# Altium PCB BMS_Slave_back.PcbDoc (part 1 of 2) (continued)
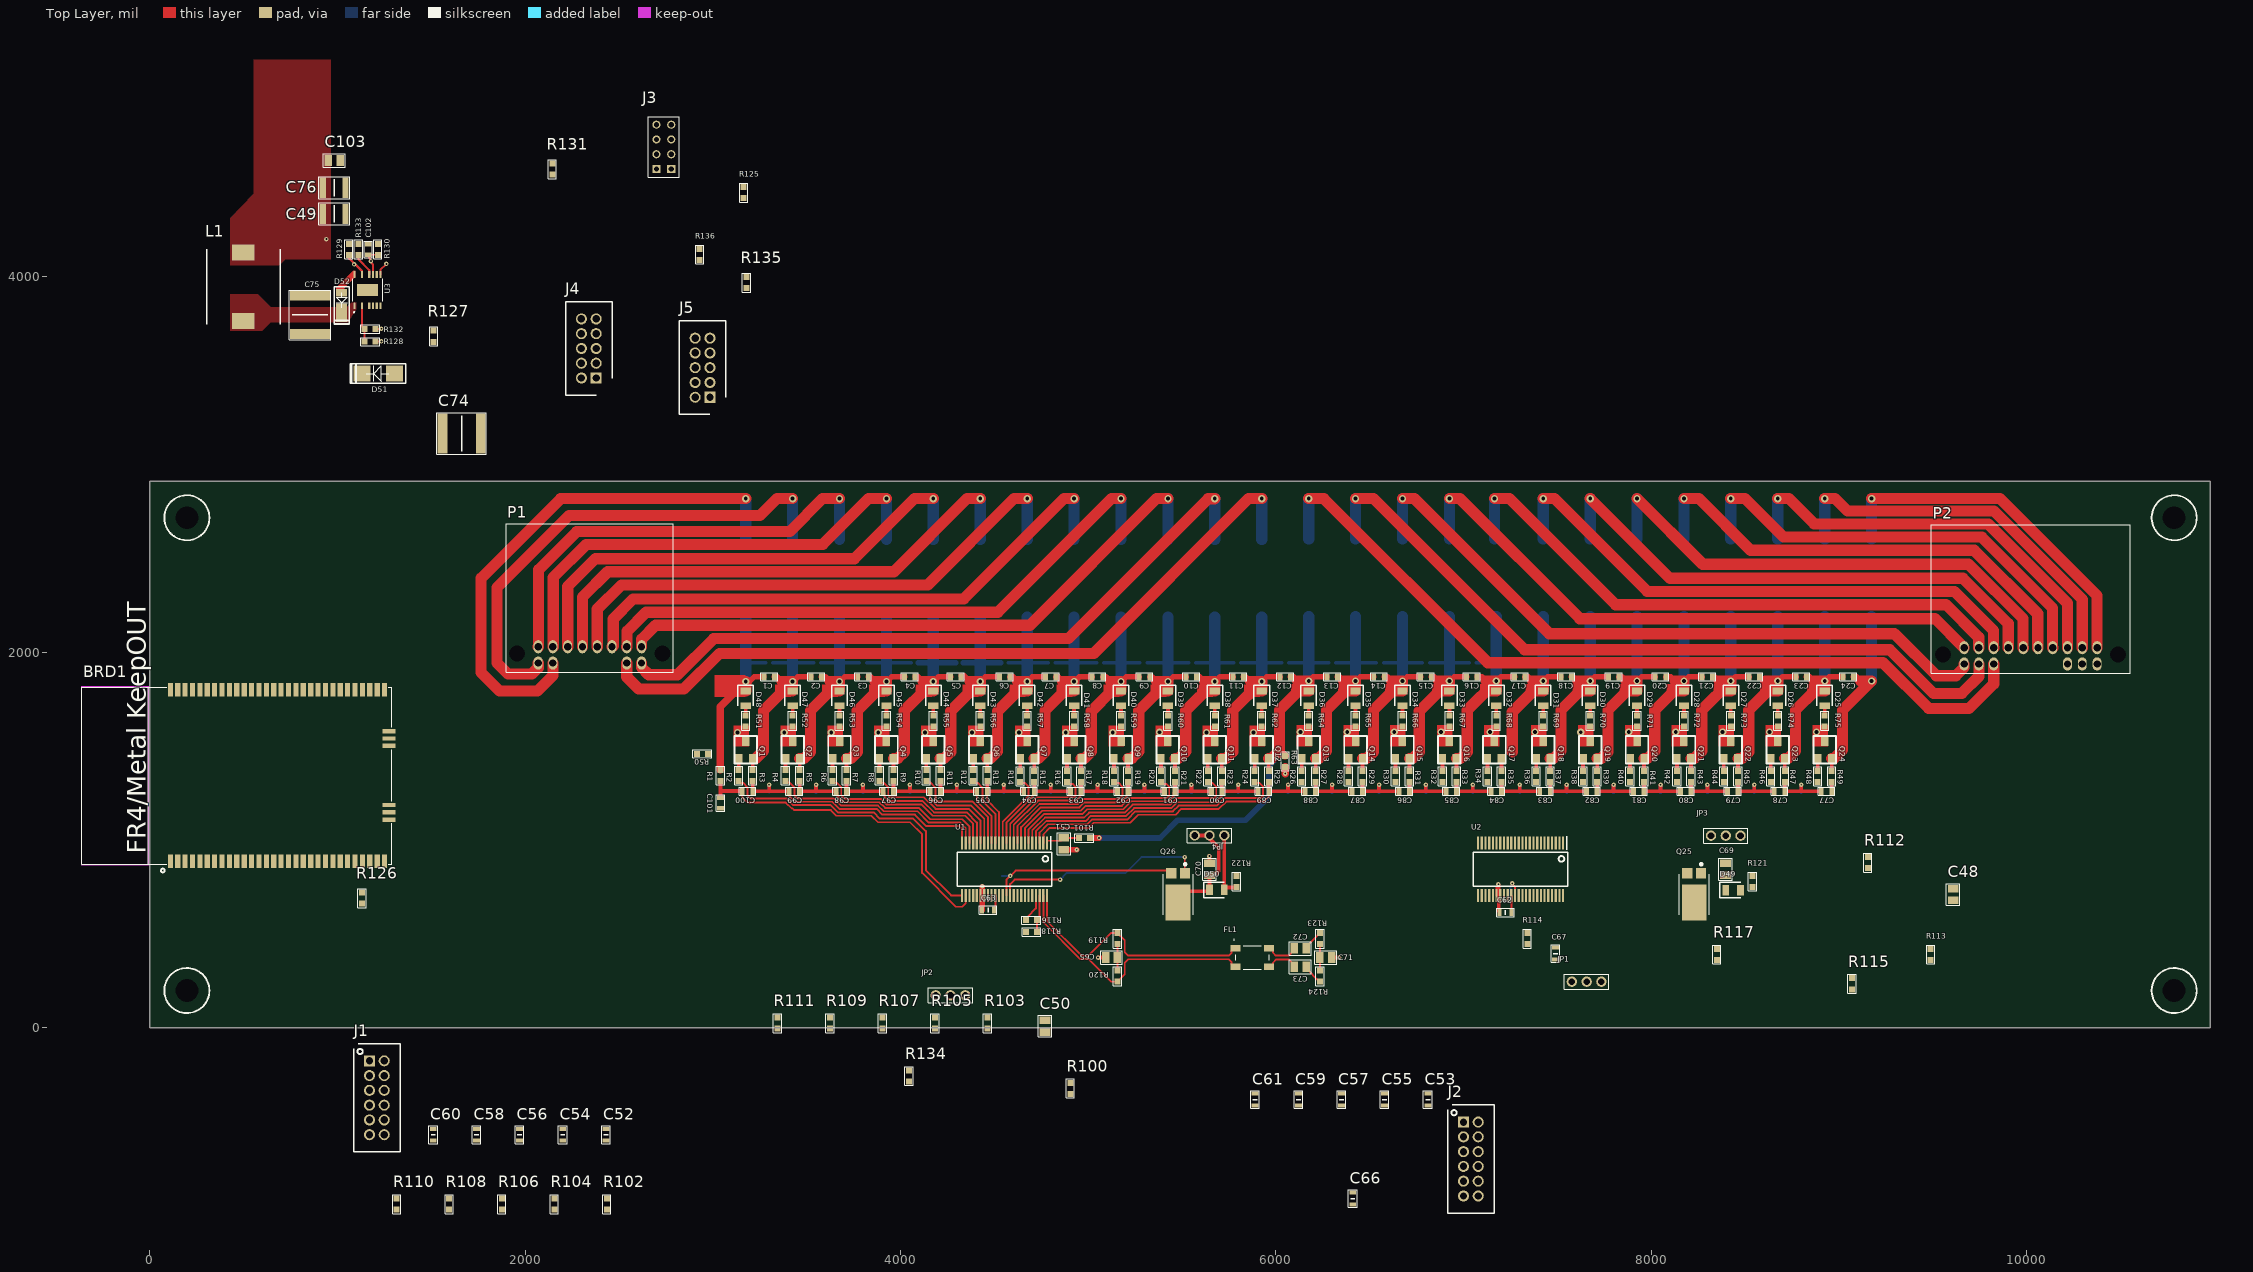
[diagram p0: Top Layer view]
## Components (designator, comment, footprint, x,y, rotation, side; value= is the part's Value field where it differs from the comment) (continued)
F7 "0885001.DR" FUSC10948X488N 4675,2393.66 r270 bottom
F8 "0885001.DR" FUSC10948X488N 4925,2393.66 r270 bottom
F9 "0885001.DR" FUSC10948X488N 5175,2393.66 r270 bottom
F10 "0885001.DR" FUSC10948X488N 5425,2393.66 r270 bottom
F11 "0885001.DR" FUSC10948X488N 5675,2393.66 r270 bottom
F12 "0885001.DR" FUSC10948X488N 5925,2393.66 r270 bottom
F13 "0885001.DR" FUSC10948X488N 6175,2396.16 r270 bottom
F14 "0885001.DR" FUSC10948X488N 6425,2396.16 r270 bottom
F15 "0885001.DR" FUSC10948X488N 6675,2396.16 r270 bottom
F16 "0885001.DR" FUSC10948X488N 6925,2396.16 r270 bottom
F17 "0885001.DR" FUSC10948X488N 7175,2396.16 r270 bottom
F18 "0885001.DR" FUSC10948X488N 7425,2396.16 r270 bottom
F19 "0885001.DR" FUSC10948X488N 7675,2396.16 r270 bottom
F20 "0885001.DR" FUSC10948X488N 7925,2396.16 r270 bottom
F21 "0885001.DR" FUSC10948X488N 8175,2396.16 r270 bottom
F22 "0885001.DR" FUSC10948X488N 8425,2396.16 r270 bottom
F23 "0885001.DR" FUSC10948X488N 8675,2396.16 r270 bottom
F24 "0885001.DR" FUSC10948X488N 8925,2396.16 r270 bottom
F25 "0885001.DR" FUSC10948X488N 9175,2396.16 r270 bottom
FL1 "ACT45B-101-2P-TL003" ACT45B1012PTL003 5874.09,373.08 r0 top
J1 "87831-1220" SHDR12W55P200_2X6_1465X630X640P 1170,-177.52 r270 top
J2 "87831-1220" SHDR12W55P200_2X6_1465X630X640P 7000,-503.94 r270 top
J3 "79107-7203" 791077203 2699.45,4575 r90 top
J4 "87831-1020" SHDR10W55P200_2X5_1265X630X640P 2378.19,3461.26 r90 top
J5 "87831-1020" SHDR10W55P200_2X5_1265X630X640P 2984.45,3358.78 r90 top
JP1 "2355045-3" 23550453 7577.66,244.45 r0 top
JP2 "2355045-3" 23550453 4187.52,171.66 r0 top
JP3 "2355045-3" 23550453 8476.48,1022.44 r180 top
JP4 "2355045-3" 23550453 5725.26,1023.66 r180 top
L1 "CDRH105RNP-151NC" INDPM102100X510N 498.58,3947.68 r90 top
P1 "Molex 12ckt Connector" 34826-0125 2344.37,1993.66 r180 top
P2 "Molex 16ckt Connector" 34826-0160 10022.28,1988.66 r180 top
Q1 "BSS308PE_H6327" SOT95P260X110-3N 3175,1478.66 r90 top
Q2 "BSS308PE_H6327" SOT95P260X110-3N 3425,1478.66 r90 top
Q3 "BSS308PE_H6327" SOT95P260X110-3N 3675,1478.66 r90 top
Q4 "BSS308PE_H6327" SOT95P260X110-3N 3925,1478.66 r90 top
Q5 "BSS308PE_H6327" SOT95P260X110-3N 4175,1478.66 r90 top
Q6 "BSS308PE_H6327" SOT95P260X110-3N 4425,1478.66 r90 top
Q7 "BSS308PE_H6327" SOT95P260X110-3N 4675,1478.66 r90 top
Q8 "BSS308PE_H6327" SOT95P260X110-3N 4925,1478.66 r90 top
Q9 "BSS308PE_H6327" SOT95P260X110-3N 5175,1478.66 r90 top
Q10 "BSS308PE_H6327" SOT95P260X110-3N 5425,1478.66 r90 top
Q11 "BSS308PE_H6327" SOT95P260X110-3N 5675,1478.66 r90 top
Q12 "BSS308PE_H6327" SOT95P260X110-3N 5925,1478.66 r90 top
Q13 "BSS308PE_H6327" SOT95P260X110-3N 6175,1478.66 r90 top
Q14 "BSS308PE_H6327" SOT95P260X110-3N 6425,1478.66 r90 top
Q15 "BSS308PE_H6327" SOT95P260X110-3N 6675,1478.66 r90 top
Q16 "BSS308PE_H6327" SOT95P260X110-3N 6925,1478.66 r90 top
Q17 "BSS308PE_H6327" SOT95P260X110-3N 7165,1478.66 r90 top
Q18 "BSS308PE_H6327" SOT95P260X110-3N 7425,1478.66 r90 top
Q19 "BSS308PE_H6327" SOT95P260X110-3N 7675,1478.66 r90 top
Q20 "BSS308PE_H6327" SOT95P260X110-3N 7925,1478.66 r90 top
Q21 "BSS308PE_H6327" SOT95P260X110-3N 8175,1478.66 r90 top
Q22 "BSS308PE_H6327" SOT95P260X110-3N 8425,1478.66 r90 top
Q23 "BSS308PE_H6327" SOT95P260X110-3N 8675,1478.66 r90 top
Q24 "BSS308PE_H6327" SOT95P260X110-3N 8925,1478.66 r90 top
Q25 "DXT5551P5-13" DXT5551P513 8229.46,708.66 r180 top
Q26 "DXT5551P5-13" DXT5551P513 5479.46,708.66 r180 top
R1 "100R" RESC1608X55N 3040,1343.66 r90 top
R2 "3.3k" RESC1608X55N 3137.6,1343.66 r90 top
R3 "100R" RESC1608X55N 3212.4,1343.66 r90 top
R4 "3.3k" RESC1608X55N 3387.6,1343.66 r90 top
R5 "100R" RESC1608X55N 3462.4,1343.66 r90 top
R6 "3.3k" RESC1608X55N 3637.6,1343.66 r90 top
R7 "100R" RESC1608X55N 3712.4,1343.66 r90 top
R8 "3.3k" RESC1608X55N 3887.6,1343.66 r90 top
R9 "100R" RESC1608X55N 3962.4,1343.66 r90 top
R10 "3.3k" RESC1608X55N 4137.6,1343.66 r90 top
R11 "100R" RESC1608X55N 4212.4,1343.66 r90 top
R12 "3.3k" RESC1608X55N 4387.6,1343.66 r90 top
R13 "100R" RESC1608X55N 4462.4,1343.66 r90 top
R14 "3.3k" RESC1608X55N 4637.6,1338.66 r90 top
R15 "100R" RESC1608X55N 4712.4,1338.66 r90 top
R16 "3.3k" RESC1608X55N 4887.6,1338.66 r90 top
R17 "100R" RESC1608X55N 4962.4,1338.66 r90 top
R18 "3.3k" RESC1608X55N 5137.6,1338.66 r90 top
R19 "100R" RESC1608X55N 5212.4,1338.66 r90 top
R20 "3.3k" RESC1608X55N 5387.6,1338.66 r90 top
R21 "100R" RESC1608X55N 5462.4,1338.66 r90 top
R22 "3.3k" RESC1608X55N 5637.6,1338.66 r90 top
R23 "100R" RESC1608X55N 5712.4,1338.66 r90 top
R24 "3.3k" RESC1608X55N 5887.6,1338.66 r90 top
R25 "100R" RESC1608X55N 5962.4,1338.66 r90 top
R26 "3.3k" RESC1608X55N 6137.6,1338.66 r90 top
R27 "100R" RESC1608X55N 6212.4,1338.66 r90 top
R28 "3.3k" RESC1608X55N 6387.6,1338.66 r90 top
R29 "100R" RESC1608X55N 6462.4,1338.66 r90 top
R30 "3.3k" RESC1608X55N 6637.6,1338.66 r90 top
R31 "100R" RESC1608X55N 6712.4,1338.66 r90 top
R32 "3.3k" RESC1608X55N 6887.6,1338.66 r90 top
R33 "100R" RESC1608X55N 6962.4,1338.66 r90 top
R34 "3.3k" RESC1608X55N 7127.6,1338.66 r90 top
R35 "100R" RESC1608X55N 7202.4,1338.66 r90 top
R36 "3.3k" RESC1608X55N 7387.6,1338.66 r90 top
R37 "100R" RESC1608X55N 7462.4,1338.66 r90 top
R38 "3.3k" RESC1608X55N 7637.6,1338.66 r90 top
R39 "100R" RESC1608X55N 7712.4,1338.66 r90 top
R40 "3.3k" RESC1608X55N 7887.6,1338.66 r90 top
R41 "100R" RESC1608X55N 7962.4,1338.66 r90 top
R42 "3.3k" RESC1608X55N 8137.6,1338.66 r90 top
R43 "100R" RESC1608X55N 8212.4,1338.66 r90 top
R44 "3.3k" RESC1608X55N 8387.6,1338.66 r90 top
R45 "100R" RESC1608X55N 8462.4,1338.66 r90 top
R46 "3.3k" RESC1608X55N 8637.6,1338.66 r90 top
R47 "100R" RESC1608X55N 8712.4,1338.66 r90 top
R48 "3.3k" RESC1608X55N 8887.6,1338.66 r90 top
R49 "100R" RESC1608X55N 8962.4,1338.66 r90 top
R50 "0R" RESC1608X55N 2945,1458.66 r0 top
R51 "475R" RESC1608X55N 3175,1633.66 r270 top
R52 "475R" RESC1608X55N 3425,1633.66 r270 top
R53 "475R" RESC1608X55N 3675,1633.66 r270 top
R54 "475R" RESC1608X55N 3925,1633.66 r270 top
R55 "475R" RESC1608X55N 4175,1633.66 r270 top
R56 "475R" RESC1608X55N 4425,1633.66 r270 top
R57 "475R" RESC1608X55N 4675,1633.66 r270 top
R58 "475R" RESC1608X55N 4925,1633.66 r270 top
R59 "475R" RESC1608X55N 5175,1633.66 r270 top
R60 "475R" RESC1608X55N 5425,1633.66 r270 top
R61 "475R" RESC1608X55N 5675,1633.66 r270 top
R62 "475R" RESC1608X55N 5925,1633.66 r270 top
R63 "0R" RESC1608X55N 6050,1418.66 r90 top
R64 "475R" RESC1608X55N 6175,1633.66 r270 top
R65 "475R" RESC1608X55N 6425,1633.66 r270 top
R66 "475R" RESC1608X55N 6675,1633.66 r270 top
R67 "475R" RESC1608X55N 6925,1633.66 r270 top
R68 "475R" RESC1608X55N 7175,1633.66 r270 top
R69 "475R" RESC1608X55N 7425,1633.66 r270 top
R70 "475R" RESC1608X55N 7675,1633.66 r270 top
R71 "475R" RESC1608X55N 7925,1633.66 r270 top
R72 "475R" RESC1608X55N 8175,1633.66 r270 top
R73 "475R" RESC1608X55N 8425,1633.66 r270 top
R74 "475R" RESC1608X55N 8675,1633.66 r270 top
R75 "475R" RESC1608X55N 8925,1633.66 r270 top
R76 "CRCW251233R0FKEG" RESC6332X70N 3175,1643.66 r90 bottom
R77 "CRCW251233R0FKEG" RESC6332X70N 3425,1643.66 r90 bottom
R78 "CRCW251233R0FKEG" RESC6332X70N 3675,1643.66 r90 bottom
R79 "CRCW251233R0FKEG" RESC6332X70N 3925,1643.66 r90 bottom
R80 "CRCW251233R0FKEG" RESC6332X70N 4175,1643.66 r90 bottom
R81 "CRCW251233R0FKEG" RESC6332X70N 4425,1643.66 r90 bottom
R82 "CRCW251233R0FKEG" RESC6332X70N 4675,1643.66 r90 bottom
R83 "CRCW251233R0FKEG" RESC6332X70N 4925,1643.66 r90 bottom
R84 "CRCW251233R0FKEG" RESC6332X70N 5175,1643.66 r90 bottom
R85 "CRCW251233R0FKEG" RESC6332X70N 5425,1643.66 r90 bottom
R86 "CRCW251233R0FKEG" RESC6332X70N 5675,1643.66 r90 bottom
R87 "CRCW251233R0FKEG" RESC6332X70N 5925,1643.66 r90 bottom
R88 "CRCW251233R0FKEG" RESC6332X70N 6175,1643.66 r90 bottom
R89 "CRCW251233R0FKEG" RESC6332X70N 6425,1643.66 r90 bottom
R90 "CRCW251233R0FKEG" RESC6332X70N 6675,1643.66 r90 bottom
R91 "CRCW251233R0FKEG" RESC6332X70N 6925,1643.66 r90 bottom
R92 "CRCW251233R0FKEG" RESC6332X70N 7175,1643.66 r90 bottom
R93 "CRCW251233R0FKEG" RESC6332X70N 7425,1643.66 r90 bottom
R94 "CRCW251233R0FKEG" RESC6332X70N 7675,1643.66 r90 bottom
R95 "CRCW251233R0FKEG" RESC6332X70N 7925,1643.66 r90 bottom
R96 "CRCW251233R0FKEG" RESC6332X70N 8175,1643.66 r90 bottom
R97 "CRCW251233R0FKEG" RESC6332X70N 8425,1643.66 r90 bottom
R98 "CRCW251233R0FKEG" RESC6332X70N 8675,1643.66 r90 bottom
R99 "CRCW251233R0FKEG" RESC6332X70N 8925,1643.66 r90 bottom
R100 "CRCW060310K0FKEAC" RESC1608X55N 4905,-323.94 r270 top
R101 "CRCW060310K0FKEAC" RESC1608X55N 4979.77,1009.67 r0 top
R102 "CRCW060310K0FKEAC" RESC1608X55N 2435,-941.34 r270 top
R103 "CRCW060310K0FKEAC" RESC1608X55N 4464,23.06 r270 top
R104 "CRCW060310K0FKEAC" RESC1608X55N 2155,-941.34 r270 top
R105 "CRCW060310K0FKEAC" RESC1608X55N 4184,23.06 r270 top
R106 "CRCW060310K0FKEAC" RESC1608X55N 1875,-941.34 r270 top
R107 "CRCW060310K0FKEAC" RESC1608X55N 3904,23.06 r270 top
R108 "CRCW060310K0FKEAC" RESC1608X55N 1595,-941.34 r270 top
R109 "CRCW060310K0FKEAC" RESC1608X55N 3624,23.06 r270 top
R110 "CRCW060310K0FKEAC" RESC1608X55N 1315,-941.34 r270 top
R111 "CRCW060310K0FKEAC" RESC1608X55N 3344,23.06 r270 top
R112 "CRCW060310K0FKEAC" RESC1608X55N 9155,878.66 r270 top
R113 "1k" RESC1608X55N 9490,388.66 r270 top
R114 "CRCW060310K0FKEAC" RESC1608X55N 7340,473.66 r270 top
R115 "CRCW060310K0FKEAC" RESC1608X55N 9070,233.16 r270 top
R116 "1k" RESC1608X55N 4697.4,571.76 r0 top
R117 "1k" RESC1608X55N 8350,388.66 r270 top
R118 "1k" RESC1608X55N 4697.4,509.66 r180 top
R119 "CRCW060310K0FKEAC" RESC1608X55N 5156,473.66 r270 top
R120 "CRCW060310K0FKEAC" RESC1608X55N 5156,273.66 r90 top
R121 "CRCW060310K0FKEAC" RESC1608X55N 8540,778.66 r90 top
R122 "CRCW060310K0FKEAC" RESC1608X55N 5790,778.66 r90 top
R123 "CRCW060310K0FKEAC" RESC1608X55N 6235,473.66 r90 top
R124 "CRCW060310K0FKEAC" RESC1608X55N 6235,273.66 r90 top
R125 "CRCW060310K0FKEAC" RESC1608X55N 3164.45,4450 r90 top
R126 "CRCW060310K0FKEAC" RESC1608X55N 1130,690 r90 top
R127 "CRCW060310K0FKEAC" RESC1608X55N 1512,3684 r90 top
R128 "CRCW060310K0FKEAC" RESC1608X55N 1173.58,3655 r180 top
R129 "CRCW060310K0FKEAC" RESC1608X55N 1060,4145.87 r270 top
R130 "CRCW060310K0FKEAC" RESC1608X55N 1214.57,4145.87 r270 top
R131 "CRCW060310K0FKEAC" RESC1608X55N 2144.45,4575 r90 top
R132 "CRCW060310K0FKEAC" RESC1608X55N 1173.58,3722.68 r180 top
R133 "CRCW060310K0FKEAC" RESC1608X55N 1112.2,4145.87 r270 top
R134 "CRCW060310K0FKEAC" RESC1608X55N 4045,-258.94 r270 top
R135 "CRCW060310K0FKEAC" RESC1608X55N 3179.45,3970 r90 top
R136 "CRCW060310K0FKEAC" RESC1608X55N 2929.45,4120 r90 top
U1 "LTC6811-1" SOP50P780X200-48N 4554.41,843.66 r270 top
U2 "LTC6811-1" SOP50P780X200-48N 7304.41,843.66 r270 top
U3 "LTC7138EMSE#PBF_1" LTC7138EMSEPBF 1159.45,3930 r0 top

## Footprints (in the part's own frame and the unit in brackets; to place one, negate y for a bottom-side part, rotate by r counter-clockwise, add the part's x,y. Pads: shape width x height; smd on the part's side, far side on the other; paste and mask are expansions set on the pad)
34826-0125 [mm] "Molex, MINI50, 12ckt"
  round 0 hole 2.15 mask+0.05: 0(-9.85,0) 0(9.85,0)
  oval 1.2x1.778 hole 1 mask+0.05: 1(-7,1.3) 2(-5,1.3) 3(5,1.3) 4(7,1.3) 5(-7,-0.9) 6(-5,-0.9) 7(-3,-0.9) 8(-1,-0.9) 9(1,-0.9) 10(3,-0.9) 11(5,-0.9) 12(7,-0.9)
  silkscreen extent -11.3,-17.53 11.3,2.54, body extent -11.31,-17.48 11.31,2.02, height 11.75
34826-0160 [mm] "Molex, MINI50, 16ckt"
  round 0 hole 2.15 mask+0.05: 0(-11.85,0) 0(11.85,0)
  oval 1.2x1.778 hole 1 mask+0.05: 1(-9,1.3) 2(-7,1.3) 3(-5,1.3) 4(5,1.3) 5(7,1.3) 6(9,1.3) 7(-9,-0.9) 8(-7,-0.9) 9(-5,-0.9) 10(-3,-0.9) 11(-1,-0.9) 12(1,-0.9) 13(3,-0.9) 14(5,-0.9) 15(7,-0.9) 16(9,-0.9)
  silkscreen extent -13.46,-17.53 13.46,2.54, body extent -13.31,-17.43 13.31,2.07, height 11.69
23550453 [mm]
  round 1.4 hole 0.9: 1(0,0) 2(2,0) 3(4,0)
  silkscreen extent -1,-1 5,1, body extent -1,-1 5,1, height 5.54
791077203 [mm]
  rect 1.1x1.1 hole 0.71: A1(0,0) B1(0,-2)
  round 1.1 hole 0.71: A2(2,0) A3(4,0) A4(6,0) B2(2,-2) B3(4,-2) B4(6,-2)
  silkscreen extent -1.09,-3.1 7.09,1.09, body extent -1.09,-3.1 7.09,1.09, height 4.54
ACT45B1012PTL003 [mm]
  rect 1.35x0.9 smd: 1(-2.275,1.25) 2(-2.275,-1.25) 3(2.275,-1.25) 4(2.275,1.25)
  silkscreen extent -2.5,-1.6 2.27,2.45, body extent -2.86,-1.61 2.86,1.61, height 3.1
CAPC1608X85N [mil]
  rect 26x37 smd: 1(-28,0) 2(28,0)
  silkscreen extent -45,-22 45,22, body extent -34,-17 34,20, height 33
CAPC1608X90N [mm]
  rect 0.54x0.94 smd: 1(-0.8,0) 2(0.8,0)
  silkscreen extent -1.19,-0.58 1.19,0.58, body extent -0.8,-0.4 0.8,0.4, height 0.9
CAPC2012X88N [mm]
  rect 1.02x1.47 smd: 1(-0.8,0) 2(0.8,0)
  silkscreen extent -1.47,-0.91 1.47,0.91, body extent -1,-0.63 1,0.63, height 0.88
CAPC3225X270N [mm]
  rect 0.82x2.72 smd: 1(-1.55,0) 2(1.55,0)
  silkscreen extent -2.08,-1.47 2.08,1.47, body extent -1.6,-1.25 1.6,1.25, height 2.7
CAPC5750X165N [mm]
  rect 1.33x5.41 smd: 1(-2.59,0) 2(2.59,0)
  silkscreen extent -3.35,-2.82 3.35,2.82, body extent -2.85,-2.5 2.85,2.5, height 1.65
DIOM5327X242N [mm]
  rect 2.3x2.15 smd: 1(-2.2,0) 2(2.2,0)
  silkscreen extent -3.81,-1.33 3.73,1.33, body extent -2.65,-1.34 2.65,1.34, height 2.42
DXT5551P513 [mm]
  rect 1.39x1.4 smd: 1(-0.92,-2.89) 2(0.92,-2.89)
  rect 3.36x4.86 smd: 3(0,1.092)
  silkscreen extent -2.02,-4.25 2.02,2.73, body extent -1.98,-3.25 1.98,3.25, height 1.15
FUSC10948X488N [mm]
  rect 5.6x4.91 smd: 1(-5.25,0) 2(5.25,0)
  silkscreen extent -8.25,-2.67 8.25,2.67, body extent -5.43,-2.39 5.43,2.39, height 4.88
INDPM102100X510N [mm]
  rect 2.2x3.05 smd: 1(-4.65,0) 2(4.65,0)
  silkscreen extent -5.1,-5 5.1,5, body extent -5.1,-5 5.1,5, height 5.1
LEDC2012X80N [mm]
  rect 0.9x1.4 smd: 1(-1,0) 2(1,0)
  silkscreen extent -1.8,-1.05 1,1.05, body extent -1,-0.63 1,0.63, height 0.8
LTC7138EMSEPBF [mm]
  rect 0.305x0.889 smd: 1(-1.75,-2.107) 3(-0.75,-2.107) 5(0.25,-2.107) 6(0.75,-2.107) 7(1.25,-2.107) 8(1.75,-2.107) 9(1.75,2.107) 10(1.25,2.107) 11(0.75,2.107) 12(0.25,2.107) 14(-0.75,2.107) 16(-1.75,2.107)
  rect 2.845x1.651 smd: 17(0,0)
  silkscreen extent -2.02,-3.05 2.02,1.5, body extent -2.02,-2.45 2.02,2.45, height 1.1
LTP5901-IPM [mm] "Chip Antenna"
  rect 1.8x0.7 smd mask+0.05: 1(0,0) 2(0,-1) 3(0,-2) 4(0,-3) 5(0,-4) 6(0,-5) 7(0,-6) 8(0,-7) 9(0,-8) 10(0,-9) 11(0,-10) 12(0,-11) 13(0,-12) 14(0,-13) 15(0,-14) 16(0,-15) 17(0,-16) 18(0,-17) 19(0,-18) 20(0,-19) 21(0,-20) 22(0,-21) 23(0,-22) 24(0,-23) 25(0,-24) 26(0,-25) 27(0,-26) 28(0,-27) 29(0,-28) 30(0,-29) 37(23.2,-29) 38(23.2,-28) 39(23.2,-27) 40(23.2,-26) 41(23.2,-25) 42(23.2,-24) 43(23.2,-23) 44(23.2,-22) 45(23.2,-21) 46(23.2,-20) 47(23.2,-19) 48(23.2,-18) 49(23.2,-17) 50(23.2,-16) 51(23.2,-15) 52(23.2,-14) 53(23.2,-13) 54(23.2,-12) 55(23.2,-11) 56(23.2,-10) 57(23.2,-9) 58(23.2,-8) 59(23.2,-7) 60(23.2,-6) 61(23.2,-5) 62(23.2,-4) 63(23.2,-3) 64(23.2,-2) 65(23.2,-1) 66(23.2,0)
  rect 0.6x1.8 smd mask+0.05: 31(5.6,-29.6) 32(6.6,-29.6) 33(7.6,-29.6) 34(15.6,-29.6) 35(16.6,-29.6) 36(17.6,-29.6)
  Keep-Out Layer region: -0.508,2.921 23.622,2.921 23.622,12.065 -0.508,12.065
  silkscreen extent -1.52,-30 23.55,12, body extent -0.45,-30 23.55,12, height 3.68
POWERDI123 [mil]
  rect 99x59.06 smd: 1(-39.5,0)
  rect 42x59.06 smd: 2(68,0)
  silkscreen extent -103,-40 100,40, body extent -77,-39 77,39, height 45
RESC1608X55N [mil]
  rect 32x32 smd: 1(-29.5,0) 2(29.5,0)
  silkscreen extent -51,-22 50,22, body extent -31,-16 32,16, height 22
RESC6332X70N [mm]
  rect 1.25x3.35 smd: 1(-3,0) 2(3,0)
  silkscreen extent -3.84,-1.91 3.84,1.91, body extent -3.15,-1.57 3.15,1.57, height 0.7
SHDR10W55P200_2X5_1265X630X640P [mm]
  rect 1.5x1.5 hole 1: 1(0,0)
  round 1.5 hole 1: 2(0,2) 3(2,0) 4(2,2) 5(4,0) 6(4,2) 7(6,0) 8(6,2) 9(8,0) 10(8,2)
  silkscreen extent -2.32,-2.15 10.33,4.15, body extent -2.32,-2.1 10.32,4.2, height 6.27
SHDR12W55P200_2X6_1465X630X640P [mm]
  rect 1.5x1.5 hole 1: 1(0,0)
  round 1.5 hole 1: 2(0,2) 3(2,0) 4(2,2) 5(4,0) 6(4,2) 7(6,0) 8(6,2) 9(8,0) 10(8,2) 11(10,0) 12(10,2)
  silkscreen extent -2.32,-2.15 12.32,4.15, body extent -2.29,-2.16 12.36,4.14, height 6.4
SODFL1006X40N [mm]
  rect 0.51x0.32 smd: 1(-0.5,0) 2(0.5,0)
  silkscreen extent -0.75,-0.3 0.4,0.3, body extent -0.5,-0.3 0.5,0.3, height 0.4
SOP50P780X200-48N [mm]
  rect 1.8x0.3 smd: 1(-3.55,5.75) 2(-3.55,5.25) 3(-3.55,4.75) 4(-3.55,4.25) 5(-3.55,3.75) 6(-3.55,3.25) 7(-3.55,2.75) 8(-3.55,2.25) 9(-3.55,1.75) 10(-3.55,1.25) 11(-3.55,0.75) 12(-3.55,0.25) 13(-3.55,-0.25) 14(-3.55,-0.75) 15(-3.55,-1.25) 16(-3.55,-1.75) 17(-3.55,-2.25) 18(-3.55,-2.75) 19(-3.55,-3.25) 20(-3.55,-3.75) 21(-3.55,-4.25) 22(-3.55,-4.75) 23(-3.55,-5.25) 24(-3.55,-5.75) 25(3.55,-5.75) 26(3.55,-5.25) 27(3.55,-4.75) 28(3.55,-4.25) 29(3.55,-3.75) 30(3.55,-3.25) 31(3.55,-2.75) 32(3.55,-2.25) 33(3.55,-1.75) 34(3.55,-1.25) 35(3.55,-0.75) 36(3.55,-0.25) 37(3.55,0.25) 38(3.55,0.75) 39(3.55,1.25) 40(3.55,1.75) 41(3.55,2.25) 42(3.55,2.75) 43(3.55,3.25) 44(3.55,3.75) 45(3.55,4.25) 46(3.55,4.75) 47(3.55,5.25) 48(3.55,5.75)
  silkscreen extent -4.45,-6.4 2.3,6.4, body extent -3.9,-6.4 3.9,6.4, height 2
SOT95P260X110-3N [mm]
  rect 1.27x1.016 smd: 1(-1.15,0.95) 2(-1.15,-0.95) 3(1.15,0)
  silkscreen extent -1.83,-1.52 1.91,1.52, body extent -1.3,-1.45 1.3,1.45, height 1.1
